# Altium PCB TAUV-Regulated_Power_board.PcbDoc (part 1 of 2) (continued)
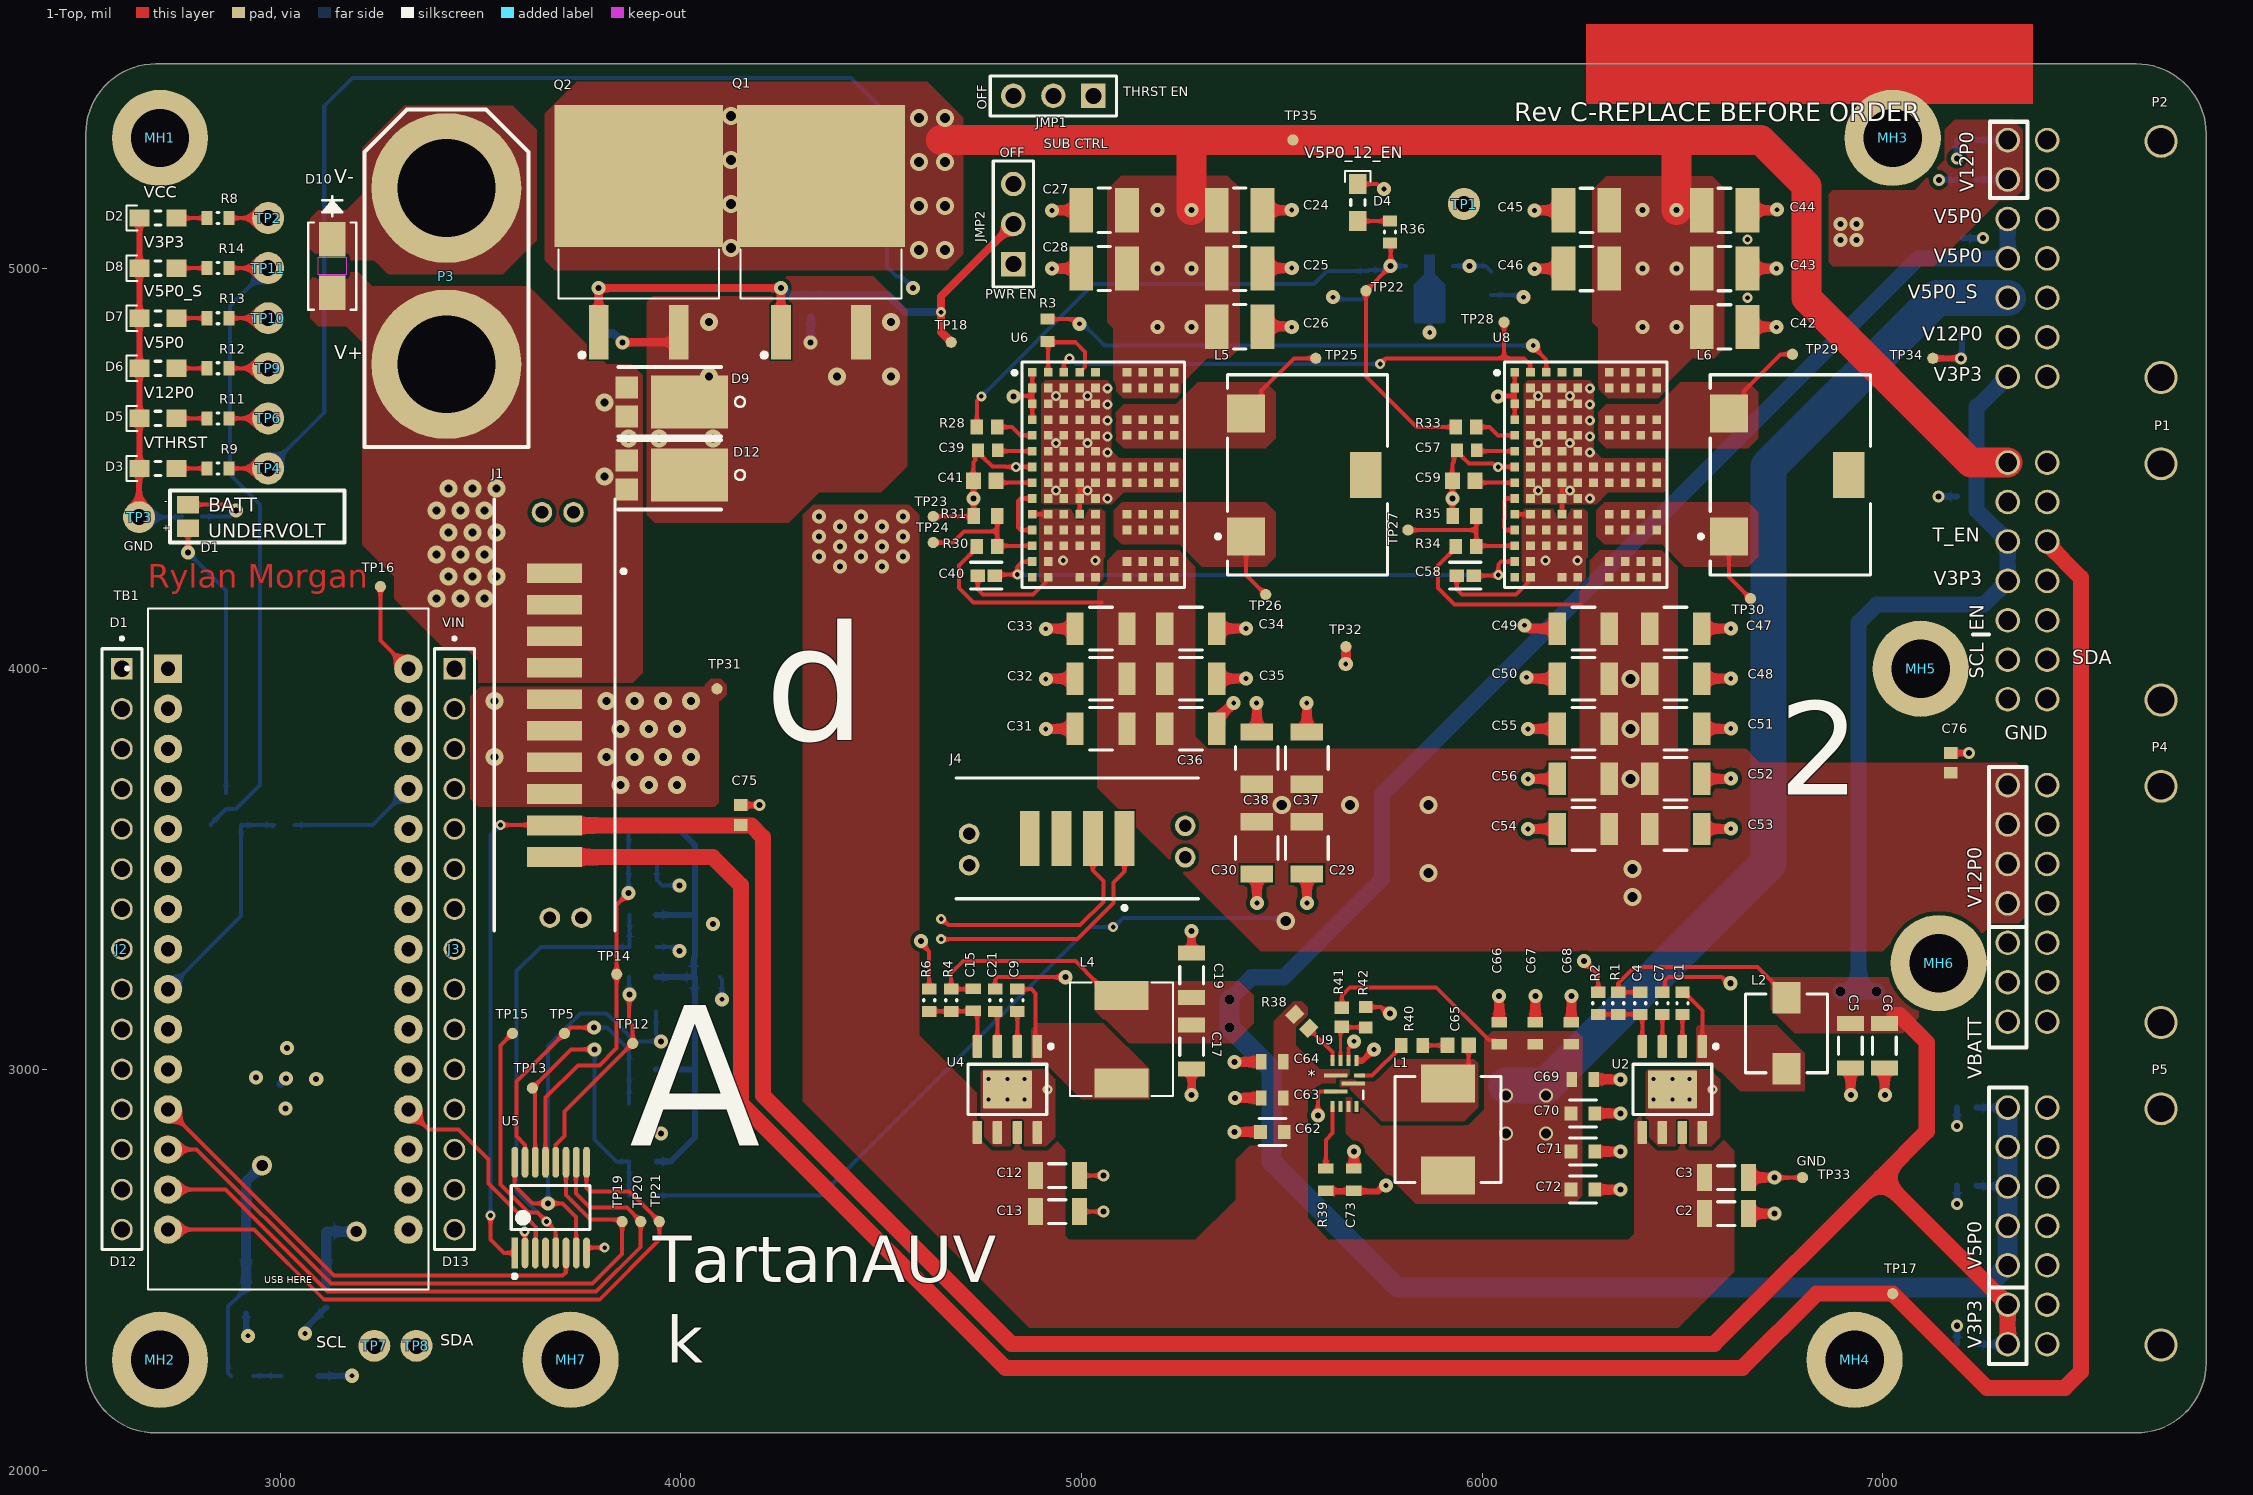
[diagram p0: 1-Top view]
## Part data (continued)
C29 C30 C31 C32 C33 C34 C35 C36 C37 C38 C47 C48 C49 C50 C51 C52 C53 C54 C55 C56: library part "10uF 1210", "CAP CER 10UF 50V X7R 1210", Manufacturer=Murata, Manufacturer Part Number=GRM32ER71H106KA12L, Package=GRM32, Temperature="-55°C to +125°C", Temperature Characteristic=X7R, Temperature Coefficient=15%, Temperature Range High=+125°C, Temperature Range Low=-55°C, Tolerance=10%, Voltage Rating=50V, Automotive=No, Capacitance=10uF, Category=Cap, ComponentLink2Description=Datasheet, ComponentLink2URL=https://search.murata.co.jp/Ceramy/image/img/A01X/G101/ENG/GRM32ER71H106KA12-01.pdf, ComponentLink3Description=Link, ComponentLink3URL=https://www.digikey.com/en/products/detail/samsung-electro-mechanics/CL32B106KBJNNNE/3889045, Device Class L1="Passive Components", Device Class L2=Capacitors, Device Class L3="Ceramic Capacitors", Digikey Description="CAP CER 10UF 50V X7R 1210", Height=2.7mm, Lead Free=Yes, Material=Ceramic, Mouser Description="1210 10 uF 50 V ±10% Tolerance X7R SMT Multilayer Ceramic Capacitor", Octopart=https://octopart.com/grm32er71h106ka12l-murata-10470987, RoHS=TRUE
C40 C58: library part "56pF 0603", "Multilayer Ceramic Capacitors 56pF ±5% 50V C0G SMD 0603", Case Code (Imperial)=0603, Case Code (Metric)=1608, Dielectric=C0G, Dielectric Material=Ceramic, Max Operating Temperature=125°C, Min Operating Temperature=-55°C, Package Quantity=1, Tolerance=5%, Voltage Rating=50V, Capacitance=56pF, Case/Package=0603, ComponentLink1Description=Link, ComponentLink1URL=https://www.digikey.com/en/products/detail/samsung-electro-mechanics/CL10C560JB8NNNC/3886855, Construction=Flat, Depth=0.8mm, Height=0.8mm, Lead Free="Lead Free", Length=1.6mm, Mount="Surface Mount", Packaging="Tape and Reel", Radiation Hardening=No, REACH SVHC="No SVHC", RoHS Compliant=Yes, Series=C, Termination=SMD/SMT, Thickness=0.037inch, Voltage Rating (DC)=50V, Weight=7.1E-05oz, Width=0.031inch
C41 C59: library part "4700pF 0603", "4700pF 0603", Manufacturer=Murata, Part Number=GRM188R72A472KA01D, ComponentLink1Description=Link, ComponentLink1URL=https://www.digikey.com/en/products/detail/walsin-technology-corporation/0603B472J500CT/9354937
C62 C70 C71 C72: library part "0.1uF 0603", "CC0603KRX7R9BB104-CAP CER 0.1UF 50V X7R 0603", Capacitance="100 nF", Manufacturer=YAGEO, Manufacturer Part Number=CC0603KRX7R9BB104, Package=CC0603-DA, Temperature="-55°C to +125°C", Temperature Characteristic=X7R, Temperature Coefficient=15%, Temperature Range High=+125°C, Temperature Range Low=-55°C, Tolerance=0.1, VOLTAGE="50 V", Automotive=No, Category=Cap, ComponentLink2Description=Datasheet, ComponentLink2URL=http://www.yageo.com/documents/recent/UPY-GPHC_X7R_6.3V-to-50V_18.pdf, ComponentLink3Description=Link, ComponentLink3URL=https://www.digikey.com/en/products/detail/samsung-electro-mechanics/CL10B104KB8NNWC/3887593, Device Class L1="Passive Components", Device Class L2=Capacitors, Device Class L3="Ceramic Capacitors", Digikey Description="CAP CER 0.1UF 50V X7R 0603", Footprint Url=http://www.yageo.com/exep/pages/download/literatures/UPY-C_GEN_24.pdf, Height=0.9mm, Lead Free=Yes, Material=Ceramic, Mouser Description="Multilayer Ceramic Capacitor, CC Series, 0.1 - F, - 10%, X7R, 50 V, 0603 [1608 Metric]", Octopart=https://octopart.com/cc0603krx7r9bb104-yageo-42244635, RoHS=TRUE, Voltage Rating="50 V"
C63 C64: library part "22uF 0603", "Cap Ceramic 22uF 10V X5R ±20% Pad SMD 0603 +85°C T/R", Capacitance=22uF, Case Code (Imperial)=0603, Case Code (Metric)=1608, Max Operating Temperature=85°C, Min Operating Temperature=-55°C, Tolerance=20%, Voltage Rating=10V, Case/Package=0603, ComponentLink1Description=Link, ComponentLink1URL=https://www.digikey.com/en/products/detail/samsung-electro-mechanics/CL10B224KB8VPNC/5961084, Length=0.063inch, Mount="Surface Mount", Packaging="Tape and Reel", Thickness=0.037inch, Width=0.031inch
C65: library part "220nF 0603", "C0603C224K8NACTU-220nF 0603", Manufacturer=Kemet, Part Number=C0603C224K8NACTU, ComponentLink1Description=Link, ComponentLink1URL=https://www.digikey.com/en/products/detail/kemet/C0603C224K4RECAUTO/8640476
C66 C67 C68 C69: library part "22uF 0603", "Cap Ceramic 22uF 10V X5R ±20% Pad SMD 0603 +85°C T/R", Case Code (Imperial)=0603, Case Code (Metric)=1608, Max Operating Temperature=85°C, Min Operating Temperature=-55°C, Tolerance=20%, Voltage Rating=10V, Capacitance=22uF, Case/Package=0603, ComponentLink1Description=Link, ComponentLink1URL=https://www.digikey.com/en/products/detail/samsung-electro-mechanics/CL10B224KB8VPNC/5961084, Length=0.063inch, Mount="Surface Mount", Packaging="Tape and Reel", Thickness=0.037inch, Width=0.031inch
D1: library part "Red LED 0805", "led /  LTST-C171KRKT", COLOR=Red, Current - Test=20mA, Lens Color=Colorless, Manufacturer="Lite-On Inc.", Manufacturer Part Number=LTST-C171KRKT, Millicandela Rating=54mcd, Package / Case="0805 (2012 Metric)", Supplier Part Number 1=160-1427-1-ND, Voltage - Forward (Vf) (Typ)=2V, Category=Optoelectronics, ComponentLink1Description=http://optoelectronics.liteon.com/upload/download/DS22-2000-109/LTST-C171KRKT.pdf, ComponentLink1URL=http://optoelectronics.liteon.com/upload/download/DS22-2000-109/LTST-C171KRKT.pdf, ComponentLink2Description=Link, ComponentLink2URL=https://www.digikey.com/en/products/detail/liteon/LTST-C171KRKT/386801, Features=-, Height (Max)=0.80mm, Lens Style/Size="Rectangle with Flat Top, 1.40mm x 1.25mm", Lens Transparency=Clear, Mounting Type="Surface Mount", Packaging="Cut Tape (CT)", Part Status=Active, Pricing 1="1=0.31, 10=0.225, 25=0.1656, 100=0.1183, 250=0.0804, 500=0.07096, 1000=0.05558 (USD)", RoHS="RoHS Compliant", Size / Dimension="2.00mm L x 1.25mm W", Stock 1=260544, Supplier 1=Digi-Key, Viewing Angle=130°, Wavelength - Dominant=631nm, Wavelength - Peak=639nm
D2 D3 D4 D5 D6 D7 D8 D11: library part "Green LED 0805", "led", COLOR=Green, Current - Test=20mA, Lens Color=Colorless, Manufacturer="Lite-On Inc.", Manufacturer Part Number=LTST-C171KGKT, Millicandela Rating=35mcd, Package / Case="0805 (2012 Metric)", Supplier Part Number 1=160-1426-1-ND, Voltage - Forward (Vf) (Typ)=2V, Category=Optoelectronics, ComponentLink1Description=http://optoelectronics.liteon.com/upload/download/DS22-2000-118/LTST-C171KGKT.pdf, ComponentLink1URL=http://optoelectronics.liteon.com/upload/download/DS22-2000-118/LTST-C171KGKT.pdf, ComponentLink2Description=Link, ComponentLink2URL=https://www.digikey.com/en/products/detail/LTST-C171KGKT/160-1426-1-ND/386798?curr=usd&utm_campaign=buynow&utm_medium=aggregator&utm_source=octopart, Features=-, Height (Max)=0.90mm, Lens Style/Size="Rectangle with Flat Top, 1.40mm x 1.25mm", Lens Transparency=Clear, Mounting Type="Surface Mount", Packaging="Cut Tape (CT)", Part Status=Active, Pricing 1="1=0.31, 10=0.225, 25=0.1656, 100=0.1183, 250=0.0804, 500=0.07096, 1000=0.05558 (USD)", RoHS="RoHS Compliant", Size / Dimension="2.00mm L x 1.25mm W", Stock 1=350441, Supplier 1=Digi-Key, Viewing Angle=130°, Wavelength - Dominant=571nm, Wavelength - Peak=574nm
D9 D12: Supplier Part Number 1=SBRT15U50SP5-13DICT-ND, Supplier 1=Digi-Key
D10: "No Description Available", Mfr_Name="Littelfuse Inc", Digi-Key_Part_Number_1=2516-SMAJ30CATR-ND, Digi-Key_Part_Number_2=2997-SMAJ30CATR-ND, Digi-Key_Part_Number_3=SMAJ30CABCT-ND, Digi-Key_Part_Number_4=SMAJ30CABDKR-ND, Digi-Key_Part_Number_5=SMAJ30CABTR-ND, Digi-Key_Part_Number_6=SMAJ30CALFCT-ND, Digi-Key_Part_Number_7=SMAJ30CALFDKR-ND, Digi-Key_Part_Number_8=SMAJ30CALFTR-ND
J1: library part UMPT-10-1.5, "CONN MPOWER 2MM MALE 10POS GOLD", ComponentLink1Description=Link, ComponentLink1URL=https://www.digikey.com/en/products/detail/samtec-inc/UMPT-10-01-5-L-V-S-W-TR/14670365?s=N4IgTCBcDaIKoFkAKAVAtARgAxqxgdAKxoAyaAamgMpoDqaKASiALoC%2BQA, System=Connector
J2 J3: Package=None, Availability=Unavailable, MF=Samtec, MP=TSW-115-05-G-S, Price=None
J4: library part UMPT-04-1.5, "CONN MPOWER 2MM MALE 4POS GOLD", ComponentLink1Description=Link, ComponentLink1URL=https://www.digikey.com/en/products/detail/samtec-inc/UMPT-04-01-5-L-V-S-W-TR/14670336?s=N4IgTCBcDaIKoFkAKAVAtABgCyYIwDoBWNAGTQDU0BlNAdTRQCUQBdAXyA
JMP1 JMP2: library part "3 Pos .1\" connector/jumper", "0.025\" SQ Post Header, Through-hole, Vertical, -55 to 125 degC, 2.54 mm Pitch, 3-Pin, Male, RoHS", Manufacturer=Samtec, Temperature Range="-55 to 125 degC", ComponentLink1Description="Manufacturer URL", ComponentLink1URL=http://www.samtec.com, ComponentLink2Description=Datasheet, ComponentLink2URL=http://www.samtec.com/documents/webfiles/pdf/TSW_TH.PDF, ComponentLink3Description="Package Specification", ComponentLink3URL=http://www.samtec.com/documents/webfiles/cpdf/TSW-XXX-XX-XXX-X-XX-XXX-MKT.pdf, DatasheetVersion=F-214, Mounting Technology=Through-hole, Orientation=Vertical, PackageDescription=".025[0.64] SQ. Post Terminal Strip Assembly", PackageReference=TSW-103-07-X-S, PackageVersion="DM, 8/1988", PartNumber=TSW-103-07-L-S, Pitch="2.54 mm", RoHS=True
L1: library part "1.5uH 9A inductor", "Commercial Inductors, High Saturation Series 1.5uH 9A 15mΩ 20%", Case Code (Imperial)=2525, Current Rating=9A, DC Resistance (DCR)=15mR, inductance=1.5uH, Inductance Tolerance=20%, Max DC Current=18A, Max Operating Temperature=125°C, Min Operating Temperature=-55°C, Package Quantity=2000, Self Resonant Frequency=5MHz, Test Frequency=100kHz, Case/Package=2525, ComponentLink1Description=Link, ComponentLink1URL=https://www.digikey.com/en/products/detail/vishay-dale/IHLP2525CZER1R5M01/1220672, Contact Plating=Tin, Core Material=Metal, Depth=6.72mm, Height=3mm, Height - Seated (Max)=0.118inch, Lead Free="Lead Free", Length=7.24mm, Military Standard=Not, Mount="Surface Mount", Number of Pins=2, Packaging="Tape and Reel", Radiation Hardening=No, RMS Current (Irms)=9A, Saturation Current=18A, Shielding=Shielded, Termination=SMD/SMT, Tolerance=20%, Width=6.47mm
L2: library part SRP5030TA, DC Resistance (DCR)="76.2 mOhm Max", Manufacturer="Bourns Inc.", Manufacturer Part Number=SRP5030TA-6R8M, Operating Temperature="-40°C ~ 150°C", Package / Case=Nonstandard, Q @ Freq="15 @ 100kHz", Ratings=AEC-Q200, Supplier Device Package=-, Supplier Part Number 1=SRP5030TA-6R8MCT-ND, Tolerance=±20%, Category="Inductors, Coils, Chokes", ComponentLink1Description=http://www.bourns.com/docs/Product-Datasheets/SRP5030TA.pdf, ComponentLink1URL=http://www.bourns.com/docs/Product-Datasheets/SRP5030TA.pdf, ComponentLink2Description=Link, ComponentLink2URL=https://www.digikey.com/en/products/detail/bourns-inc/SRP5030TA-6R8M/5429675?s=N4IgjCBcoEwAwA4DsVQGMoDMCGAbAzgKYA0IA9lANogBsAdAgAQCtAEiALqkAOALlCACqAOwCWvAPKYAsoWz4ArgCdCIAL5rSMKiADKAJQAKAVjgBmOABUAgpzVA, Height - Seated (Max)="0.118\" (3.00mm)", Material - Core="Carbonyl Powder", Mounting Type="Surface Mount", Packaging="Cut Tape (CT)", Part Status=Active, Pricing 1="1=1.51, 10=1.397, 100=0.9781, 500=0.79178, 1000=0.72191 (USD)", RoHS="RoHS Compliant", Shielding=Shielded, Size / Dimension="0.224\" L x 0.205\" W (5.70mm x 5.20mm)", Stock 1=5626, Supplier 1=Digi-Key, Type=Wirewound
L4: library part SRP6540-8R2M, "8.2µH Shielded Wirewound Inductor 4.5A 50.5mOhm Max Nonstandard", Package="Nonstandard Bourns", ComponentLink1Description=Link, ComponentLink1URL=https://www.digikey.com/en/products/detail/bourns-inc/SRP6540-8R2M/3986098?s=N4IgTCBcDaIMoCUAKA2ArAFgAwFoAcCYAsiALoC%2BQA, Digi-Key_Part_Number=SRP6540-8R2MCT-ND, MF=Bourns, MP=SRP6540-8R2M, Purchase-URL=https://pricing.snapeda.com/search/part/SRP6540-8R2M/?ref=eda, SnapEDA_Link=https://www.snapeda.com/parts/SRP6540-8R2M/Bourns/view-part/1329449/?ref=snap
L5 L6: library part HCV1206-R42-R, "HCV1206-R42-R -FIXED IND 420NH 16A 3.15 MOHM", Case/Package=Nonstandard, Current Rating=16A, DC Resistance (DCR)=3.15mR, Max Operating Temperature=125°C, Min Operating Temperature=-55°C, Resistor Type=Wirewound, Saturation Current=42A, Test Frequency=100kHz, Tolerance=10%, ComponentLink1Description=Link, ComponentLink1URL=https://www.digikey.com/en/products/detail/eaton-electronics-division/HCV1206-R42-R/5418747, Core Material=Ferrite, Height - Seated (Max)=0.201inch, inductance=420nH, Lead Free="Lead Free", Length=0.48inch, Mount="Surface Mount", Packaging="Tape and Reel", RoHS Compliant=Yes, Shielding=Unshielded, Width=0.386inch
MH1 MH2 MH3 MH4 MH5 MH6 MH7: library part "Mounting Hole #4-40, Loose Fit", "Mounting Hole for ANSI #4-40 w/ Flat Washer, Loose Fit", Datasheet=http://blogs.mentor.com/tom-hausherr/blog/tag/pcb-mounting-holes/
P1 P2 P4 P5: "NanoFit Right Hdr TH DR 14Ckt", Manufacturer=Molex, Part Number=105314-1214, Supplier Part Number=538-105314-1214, ComponentLink1Description="Mouser Link", ComponentLink1URL=https://www.mouser.com/ProductDetail/Molex/105314-1214?qs=PqFvFmEiOr6wLIXpvlvqbA%3D%3D, ComponentLink2Description=Link, ComponentLink2URL=https://www.digikey.com/en/products/detail/molex/1053141114/7693193, Supplier=Mouser, Supplier 1=Mouser, Supplier Part Number 1=538-105314-1214
Q1 Q2: "P-Channel 60V 18A _Tc_ 3.7W _Ta_, 88W _Tc_ Surface Mount D2PAK", Package="D2PAK Vishay", Availability=Unavailable, MF=Vishay, MP=IRF9Z34STRLPBF, Price=None, SnapEDA_Link=https://www.snapeda.com/parts/IRF9Z34STRLPBF/Vishay%20Siliconix/view-part/813693/?ref=snap
Q3: library part "PMOS SOT-23", "Power MOSFET, -20 V, -1.3 A, P-Channel, 3-Pin SOT-23, Pb-Free, Tape and Reel", Manufacturer="On Semiconductor", Package Type=SOT-23-3, Channel Polarity="P Channel", Ciss Typ (pF)=225, ComponentLink1Description="Manufacturer URL", ComponentLink1URL=http://www.onsemi.com/, ComponentLink2Description=Datasheet, ComponentLink2URL=http://www.onsemi.cn/pub_link/Collateral/NTR1P02LT1-D.PDF, ComponentLink3Description="Package Specification", ComponentLink3URL=http://www.onsemi.cn/pub_link/Collateral/318-08.PDF, ComponentLink4Description=Link, ComponentLink4URL=https://www.digikey.com/en/products/detail/vishay-siliconix/IRF9Z34STRLPBF/856689?s=N4IgTCBcDaIJICUBiBOAWgZgCwGUAqCAMgAoBCSIAugL5A, Configuration=Single, Coss Typ (pF)=130, Crss Typ (pF)=55, DatasheetVersion="Rev. 13", ID Max (A)=1.3, Mounting Technology="Surface Mount", PackageDescription="3-Pin Small Outline Transistor, Body 2.92 x 1.3 mm, Pitch 0.95 mm", PackageReference=SOT-23-3-318-08, PackageVersion="Rev. AP, 11/2009", Packing="Tape and Reel", PartNumber=NVTR01P02LT1G, PD Max (W)=0.4, Qrr Typ (nC)=8.5, RoHS=Pb-Free, V(BR)DSS Min (V)=20, VGS Max (V)=12, VGS(th) Max (V)=1.25
R1: library part "51K 0603", "51K 0.1W 1% 0603 (1608 Metric)  SMD", Case-EIA=0603, Case-Metric=1608, power="0.1 W", Tolerance="1 %", ComponentLink1Description=Link, ComponentLink1URL=https://www.digikey.com/en/products/detail/panasonic-electronic-components/ERJ-PB3B5102V/6212949, Technology=SMT
R2 R6: library part "22K1 0603", "22K1 0.1W 1% 0603 (1608 Metric)  SMD", Case-EIA=0603, Case-Metric=1608, power="0.1 W", Tolerance="1 %", ComponentLink1Description=Link, ComponentLink1URL=https://www.digikey.com/en/products/detail/yageo/RC0603FR-0722K1L/727058, Technology=SMT
R3: library part "2K5 0603", "2.5K 0603", Manufacturer=Yageo, Part Number=RC0603FR-072K55L, ComponentLink1Description=Link, ComponentLink1URL=https://www.digikey.com/en/products/detail/yageo/RC0603FR-072K55L/727029
R4: library part "88K7 0603", "88K7 0.1W 1% 0603 (1608 Metric)  SMD", Case-EIA=0603, Case-Metric=1608, power="0.1 W", Tolerance="1 %", ComponentLink1Description=Link, ComponentLink1URL=https://www.digikey.com/en/products/detail/yageo/RC0603FR-0788K7L/727415, Technology=SMT
R7: library part "100R 0603", "100R 0.1W 5%", Manufacturer="Vishay Dale", Part Number=CRCW0603100RJNTA, ComponentLink1Description=Link, ComponentLink1URL=https://www.digikey.com/en/products/detail/yageo/RC0603FR-13100RL/12756392
R8 R9: library part CMP-1012-00518-1, "1K2 0.1W 1% 0603 (1608 Metric)  SMD", Case-EIA=0603, Case-Metric=1608, power="0.1 W", Tolerance="1 %", Technology=SMT
R10 R17 R18 R19 R24: library part "470K 0805", "RES Thick Film, 470kΩ, 1%, 0.125W, 100ppm/°C, 0805", Case Code (Imperial)=0805, Case Code (Metric)=2012, Max Operating Temperature=155°C, Max Power Dissipation=125mW, Min Operating Temperature=-55°C, Package Quantity=10, Temperature Coefficient=100ppm/°C, Tolerance=1%, Voltage Rating=150V, Case/Package=0805, ComponentLink1Description=Link, ComponentLink1URL=https://www.digikey.com/en/products/detail/yageo/RC0805FR-07470KL/727977, Composition="Thick Film", Contact Plating=Tin, Depth=1.25mm, Features="Automotive AEC-Q200", Height=0.45mm, Lead Free="Lead Free", Length=2mm, Military Standard=Not, Number of Pins=2, Number of Terminations=2, Packaging="Tape and Reel", Power Rating=125mW, Radiation Hardening=No, Termination=SMD/SMT, Voltage Rating (DC)=150V, Weight=0.000194oz, Width=0.049inch
R11 R37: library part CMP-1012-00492-1, "681R 0.1W 1% 0603 (1608 Metric)  SMD", Case-EIA=0603, Case-Metric=1608, power="0.1 W", Tolerance="1 %", Technology=SMT
R12 R13 R36: library part CMP-1012-00058-1, "220R 0.1W 5% 0603 (1608 Metric)  SMD", Case-EIA=0603, Case-Metric=1608, power="0.1 W", Tolerance="5 %", Technology=SMT
R14: library part CMP-1012-00050-1, "100R 0.1W 5% 0603 (1608 Metric)  SMD", Case-EIA=0603, Case-Metric=1608, power="0.1 W", Tolerance="5 %", Technology=SMT
R15 R16: library part "4K7 0603", "4K7 0.1W 1% 0603 (1608 Metric)  SMD", Case-EIA=0603, Case-Metric=1608, power="0.1 W", Tolerance="1 %", ComponentLink1Description=Link, ComponentLink1URL=https://www.digikey.com/en/products/detail/yageo/RC0603FR-074K7L/727212, Technology=SMT
R20 R21 R22 R23 R25: library part "160K 0805", "RES Thick Film, 160kΩ, 1%, 0.125W, 100ppm/°C, 0805", Case Code (Imperial)=0805, Case Code (Metric)=2012, Max Operating Temperature=155°C, Min Operating Temperature=-55°C, Package Quantity=5000, Power Rating=125mW, Temperature Coefficient=100ppm/°C, Tolerance=1%, Voltage Rating=150V, Case/Package=0805, ComponentLink1Description=Link, ComponentLink1URL=https://www.digikey.com/en/products/detail/yageo/RC0805FR-07160KL/727628, Composition="Thick Film", Contact Plating=Tin, Depth=1.25mm, Height=0.45mm, Length=2mm, Military Standard=Not, Mount="Surface Mount", Number of Pins=2, Packaging="Tape and Reel", Radiation Hardening=No, Termination=SMD/SMT, Weight=0.000194oz, Width=1.25mm
R26 R28 R30 R33 R34: library part "10K 0603", "Chip Resistor, 10 KOhm, +/- 1%, 100 mW, -55 to 155 degC, 0603 (1608 Metric), RoHS, Tape and Reel", Manufacturer="Vishay Semiconductor", Max Operating Temperature="155 degC", Min Operating Temperature="-55 degC", Package Quantity=5000, Voltage Rating="75 V", ComponentLink1Description="Manufacturer URL", ComponentLink1URL=http://www.vishay.com/, ComponentLink2Description=Datasheet, ComponentLink2URL=https://datasheet.ciiva.com/11809/0900766b80d98afc-11809037.pdf, ComponentLink3Description=Link, ComponentLink3URL=https://www.digikey.com/en/products/detail/stackpole-electronics-inc/RNCP0603FTD10K0/2240139, DatasheetVersion=06/2012, Height="0.45 mm", Length="1.55 mm", Mounting Technology="Surface Mount", PackageDescription="2-Pin Surface Mount Device, Body 1.575 x 0.85 mm", PackageReference=0603, Packaging="Tape and Reel", REACH SVHC=Unknown, RoHSCompliant=true
R29: library part "0R 0805", "0 Ohm 0805", Manufacturer="Vishay Dale", Part Number=CRCW08050000Z0EA, ComponentLink1Description=Link, ComponentLink1URL=https://www.digikey.com/en/products/detail/stackpole-electronics-inc/RMCF0805ZT0R00/1756901
R31 R35: library part "1K65 0603", "1.65k 0603", Manufacturer=Yageo, Part Number=RC0603FR-071K65L, ComponentLink1Description=Link, ComponentLink1URL=https://www.digikey.com/en/products/detail/yageo/RC0603FR-071K65L/726870
R38: library part "1M5 0603", "CRCW06031M50FKEA-1M5 0603", Manufacturer="Vishay Dale", Part Number=CRCW06031M50FKEA, ComponentLink1Description=Link, ComponentLink1URL=https://www.digikey.com/en/products/detail/yageo/RC0603FR-071M5L/726865
R39: library part "100K 0603", "ERJ-3EKF1003V-100k 0603", Manufacturer=Panasonic, Part Number=ERJ-3EKF1003V, ComponentLink1Description=Link, ComponentLink1URL=https://www.digikey.com/en/products/detail/yageo/RC0603FR-07100KL/726889
R40: library part "3R3 0603", "ERJ-3RQF3R3V- 3R3 0603", Manufacturer=Panasonic, Part Number=ERJ-3RQF3R3V, ComponentLink1Description=Link, ComponentLink1URL=https://www.digikey.com/en/products/detail/yageo/RC0603FR-133R3L/14008285
R41: library part "41K2 0603", "ERA3AEB4122V-41k2 0603", Manufacturer=Panasonic, Part Number=ERA3AEB4122V, ComponentLink1Description=Link, ComponentLink1URL=https://www.digikey.com/en/products/detail/yageo/RC0603FR-1041K2L/14008303
R42: library part "5K6 0603", "Chip Resistor, 5.6 KOhm, +/- 1%, 0.1 W, -55 to 155 degC, 0603 (1608 Metric), RoHS, Tape and Reel", Case\Package=TO-236-3, Frequency="300 MHz", Max Operating Temperature="150 degC", Max Power Dissipation="625 mW", Min Operating Temperature="-55 degC", Package Quantity=3000, ComponentLink1Description="Manufacturer URL", ComponentLink1URL=http://www.panasonic.com/, ComponentLink2Description=Datasheet, ComponentLink2URL=http://industrial.panasonic.com/cdbs/www-data/pdf/RDA0000/AOA0000C86.pdf, ComponentLink3Description=Link, ComponentLink3URL=https://www.digikey.com/en/products/detail/yageo/RC0603FR-135K6L/14286727, DatasheetVersion=Apr-15, Elements=1, Height="0.25 inch", hFE Min=100, Length="0.25 inch", Mount="Surface Mount", PackageDescription="2-Pin Surface Mount Device, Body 1.6 x 0.85 mm", PackageReference=0603, Packaging="Tape and Reel", Pins=3, Radiation Hardening=No, REACH SVHC="No SVHC", RoHSCompliant=true, Vce Max="300 mV", Weight="0.002116 oz", Width="0.25 inch"
TB1: "Small, complete, and breadboard-friendly board based on the ATmega328 (Arduino Nano 3.x)", Package="Non-Standard Arduino", Availability="Not in stock", Check_prices=https://www.snapeda.com/parts/Arduino%20Nano/Arduino/view-part/?ref=eda, MF=Arduino, MP="Arduino Nano", Price=None, SnapEDA_Link=https://www.snapeda.com/parts/Arduino%20Nano/Arduino/view-part/?ref=snap
TP1 TP2 TP3 TP4 TP6 TP7 TP8 TP9 TP10 TP11: "Keyston Electronics 5001 Test Point Loop", COLOR=Black, Manufacturer="Keystone Electronics", Manufacturer P/N=5001, Supplier Part Number 1=36-5001-ND, Supplier 1=Digi-Key
TP5 TP12 TP13 TP14 TP15 TP16 TP17 TP18 TP19 TP20 TP21 TP22 TP23 TP24 TP25 TP26 TP27 TP28 TP29 TP30 TP31 TP32 TP33 TP34 TP35: library part "Test Point Pad", "Test point, Pad, 28 mil"
U1: "Positive Voltage Regulator, 3-Pin D2PAK, Tape and Reel", ComponentLink1Description="Manufacturer URL", ComponentLink1URL=http://www.st.com, ComponentLink2Description=Datasheet, ComponentLink2URL=http://www.st.com/internet/com/TECHNICAL_RESOURCES/TECHNICAL_LITERATURE/DATASHEET/CD00000444.pdf, ComponentLink3Description=Link, ComponentLink3URL=https://www.digikey.com/en/products/detail/stmicroelectronics/L7812ABD2T-TR/1038261?s=N4IgTCBcDaIDIHYAcBGMBBAQgETAFQFo8AlEAXQF8g, DatasheetVersion=16/11/2011, PackageDescription="3-Pin Transistor Outline Package 2.54 mm Pitch, 15.4 mm Lead Span (D2PAK)", PackageReference=TO-263, PackageVersion=2011
U2 U4: Current - Output=3A, Frequency - Switching=400kHz, Manufacturer="Texas Instruments", Manufacturer Part Number=LMR23630AFQDDARQ1, Operating Temperature="-40°C ~ 125°C (TJ)", Package / Case="8-SOIC (0.154\", 3.90mm Width) Exposed Pad", Supplier Device Package="8-SO PowerPad", Supplier Part Number 1=296-45260-6-ND, Voltage - Input (Max)=36V, Voltage - Input (Min)=4.5V, Voltage - Output (Max)=28V, Voltage - Output (Min/Fixed)=1V, Category="Integrated Circuits (ICs)", ComponentLink1Description=http://www.ti.com/lit/ds/symlink/lmr23630-q1.pdf, ComponentLink1URL=http://www.ti.com/lit/ds/symlink/lmr23630-q1.pdf, ComponentLink2Description=Link, ComponentLink2URL=https://www.digikey.com/en/products/detail/texas-instruments/LMR23630AQDDARQ1/6590816, Function=Step-Down, Mounting Type="Surface Mount", Number of Outputs=1, Output Configuration=Positive, Output Type=Adjustable, Packaging=Digi-Reel®, Part Status=Active, Pricing 1="1=3.97, 10=3.564, 100=2.9204, 500=2.48604, 1000=2.09667 (USD)", RoHS="RoHS Compliant", Stock 1=1636, Supplier 1=Digi-Key, Synchronous Rectifier=Yes, Topology=Buck
U5: "IC MUX/DEMUX 8X1 16TSSOP", ComponentLink1Description=Link, ComponentLink1URL=https://www.digikey.com/en/products/detail/nexperia-usa-inc/74HC4051PW-118/946649, RoHS Compliant=Yes
U6 U8: "DC DC CONVERTER 10-50V", Case/Package=LGA, Max Input Voltage=60V, Max Operating Temperature=115°C, Max Output Current=6.5A, Min Input Voltage=8V, Min Operating Temperature=-40°C, Voltage - Output 1=50V, ComponentLink1Description=Link, ComponentLink1URL=https://www.digikey.com/en/products/detail/vicor-corporation/PI3740-00-LGIZ/6573281, Efficiency=96%, Features=UVLO, Mount="Surface Mount", Number of Outputs=1, Packaging=Tray, RoHS Compliant=Yes, Series="Cool-Power® (140W)"
U7: "IC REG LINEAR 5V 100MA SOT89-3", Case/Package=SOT-89, Dropout Voltage=1.7V, Max Input Voltage=30V, Max Operating Temperature=125°C, Max Output Current=100mA, Min Input Voltage=7V, Min Operating Temperature=0°C, Min Output Voltage=5V, Output Voltage Accuracy=4%, Package Quantity=1, Power Supply Rejection Ratio (PSRR)=49dB, Quiescent Current=6mA, Accuracy=4%, ComponentLink1Description=Link, ComponentLink1URL=https://www.digikey.com/en/products/detail/stmicroelectronics/L78L05ACUTR/585707?s=N4IgTCBcDaIDIHYAccAMBWAggYQKoBUAlEAXQF8g, Contact Plating=Tin, Height=1.6mm, Lead Free="Lead Free", Length=4.6mm, Mount="Surface Mount", Nominal Output Voltage=5V, Number of Outputs=1, Number of Pins=3, Number of Regulators=1, Output Current=100mA, Output Type=Fixed, Output Voltage=5V, Packaging="Tape and Reel", Polarity=Positive, Radiation Hardening=No, REACH SVHC="No SVHC", Weight=0.004603oz, Width=2.6mm
U9: "No Description Available", Mfr_Name="Monolithic Power Systems", RefDes=RefDes, Type=Type

## Via types
v1: diameter 35, hole 15, 1-Top to 6-Bottom, 82 vias
v2: diameter 25, hole 12, 1-Top to 6-Bottom, 48 vias
v3: diameter 35, hole 12, 1-Top to 6-Bottom, 44 vias
v4: diameter 45, hole 20, 1-Top to 6-Bottom, 44 vias
v5: diameter 45, hole 25, 1-Top to 6-Bottom, 22 vias
v6: diameter 20, hole 10, 1-Top to 6-Bottom, 12 vias
v7: diameter 30, hole 15, 1-Top to 6-Bottom, 12 vias
v8: diameter 25, hole 25, 1-Top to 6-Bottom, 4 vias
v9: diameter 35, hole 25, 1-Top to 6-Bottom, 4 vias
v10: diameter 50, hole 28, 1-Top to 6-Bottom, 2 vias

## Nets (pads, with @x,y where several pads share a name; then routed paths per layer and width w, separated by ;. In a path a pad name is that pad's centre, name@x,y a point inside that pad or via, vN(x,y) a via of type N, cw(c..) or ccw(c..) an arc to the next point about the centre after c; other vN are vias at no path point)
Ard_3V3: J3.14 TB1.17 | length 115
  3-Signal1 w10: TB1.17@3320,2700 J3.14@3435,2700
Ard_A0: J3.12 TB1.19 U5.3 | length 655.1
  1-Top w10: TB1.19@3320,2900 3370,2850 3445,2850 3520.02,2774.98 3520.02,2714.91 3612.07,2622.86 3621.82,2622.86 3637.92,2606.75 3637.92,2583.97 3637.87,2583.91 3637.87,2543.05 U5.3@3636.61,2541.8
  3-Signal1 w10: TB1.19@3320,2900 J3.12@3435,2900
Ard_A1: J3.11 TB1.20 | length 115
  3-Signal1 w10: TB1.20@3320,3000 J3.11@3435,3000
Ard_A2: J3.10 TB1.21 | length 115
  3-Signal1 w10: TB1.21@3320,3100 J3.10@3435,3100
Ard_A3: J3.09 TB1.22 | length 115
  3-Signal1 w10: TB1.22@3320,3200 J3.09@3435,3200
Ard_A4/SDA: J3.08 P1.13 TB1.23 TP8.1 | length 6951.1
  3-Signal1 w10: TP8.1@3340,2310 3260,2390 3260,3240 TB1.23@3320,3300 J3.08@3435,3300 3443.41,3291.59 3463.41,3291.59 3505,3250 3505,3000 3992.09,2512.91 6772.91,2512.91 7260,3000 7440,3000 7525,3085 7525,3914.5 7417,4022.5 P1.13@7410.55,4022.5
Ard_A5/SCL: J3.07 P1.6 TB1.24 TP7.1 | length 7187.8
  3-Signal1 w10: TP7.1@3235,2310 3235,3315 TB1.24@3320,3400 J3.07@3435,3400 3540,3295 3540,3025 4032.09,2532.91 6747.91,2532.91 7245,3030 7430,3030 7505,3105 7505,3720 7440,3785 7320,3785 7245,3860 7245,3955.37 P1.6@7312.13,4022.5